# Altium PCB LLN-24VDimmer.PcbDoc
Units mm, origin at the board's own origin, x right, y up, seen from the top; angles counter-clockwise.
Board outline 87 x 52 mm, 3 copper layers (Top, Signal, Bottom), stack 1.885 mm thick; 66 components, 58 nets, 230 pads, 18 vias.
Unrouted connection lines stored in the file: 66.
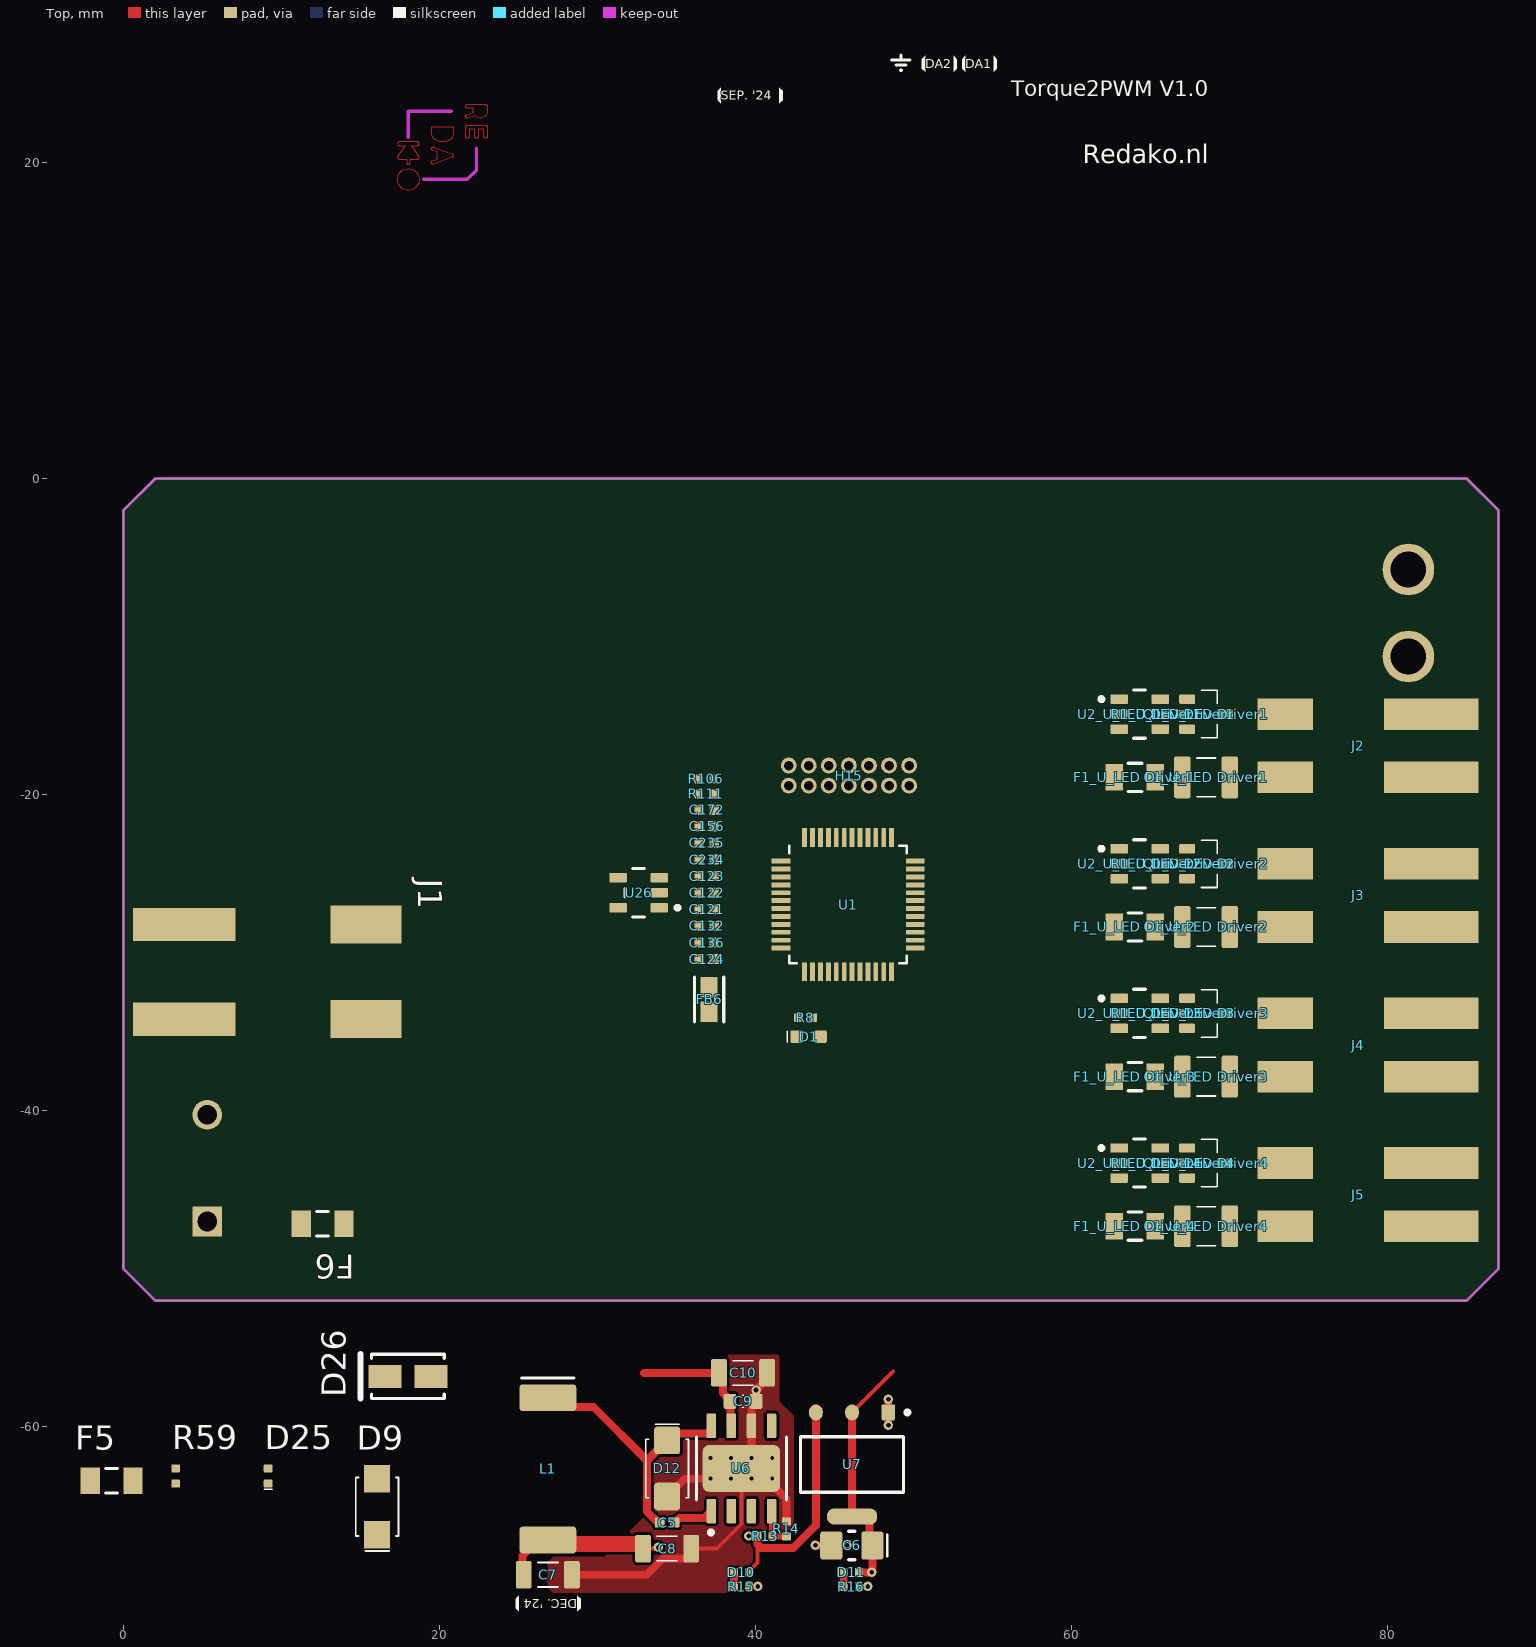
[diagram p0: Top view]
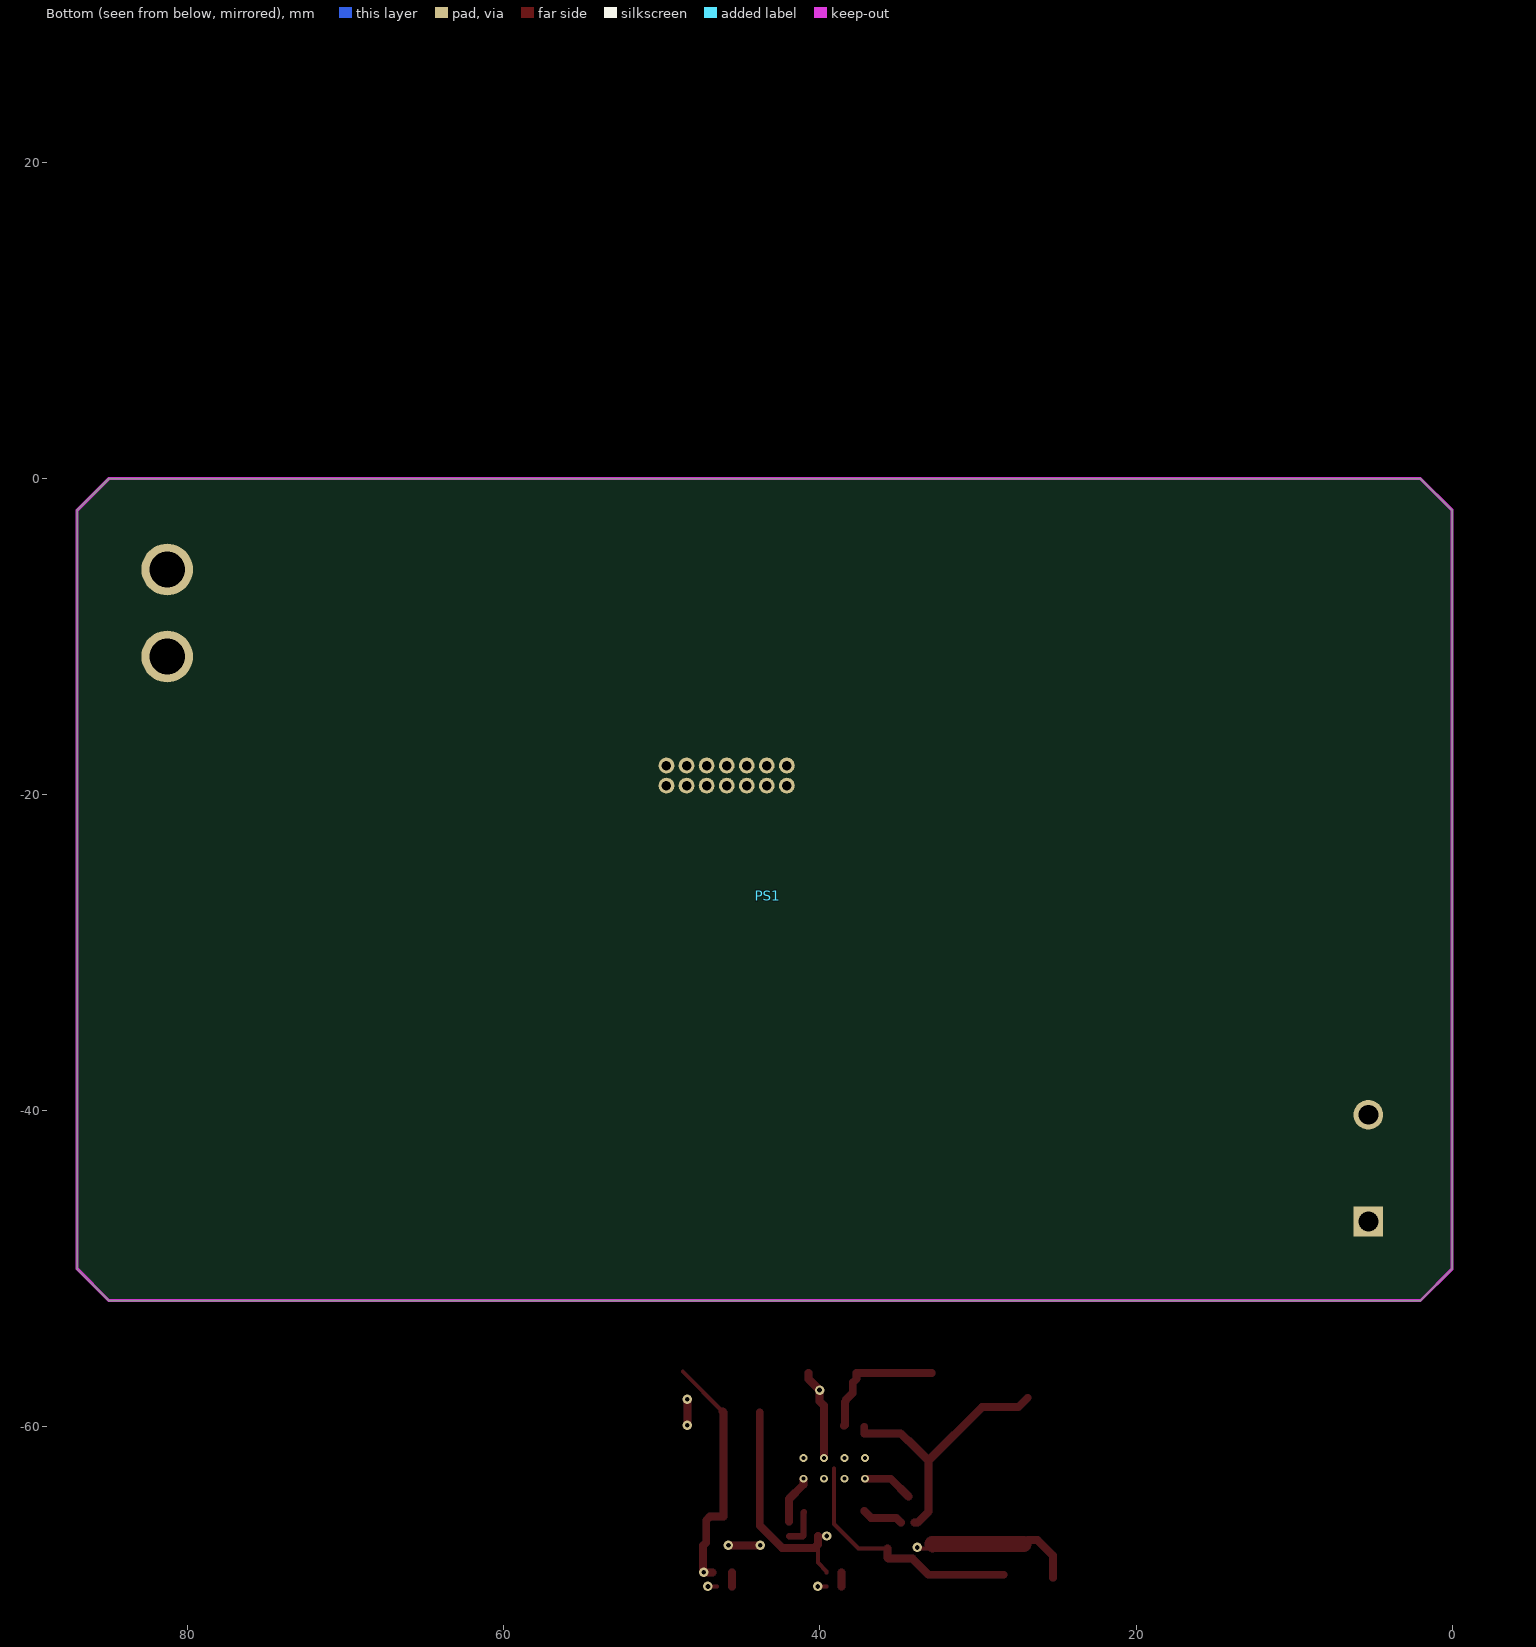
[diagram p1: Bottom view, seen from below]
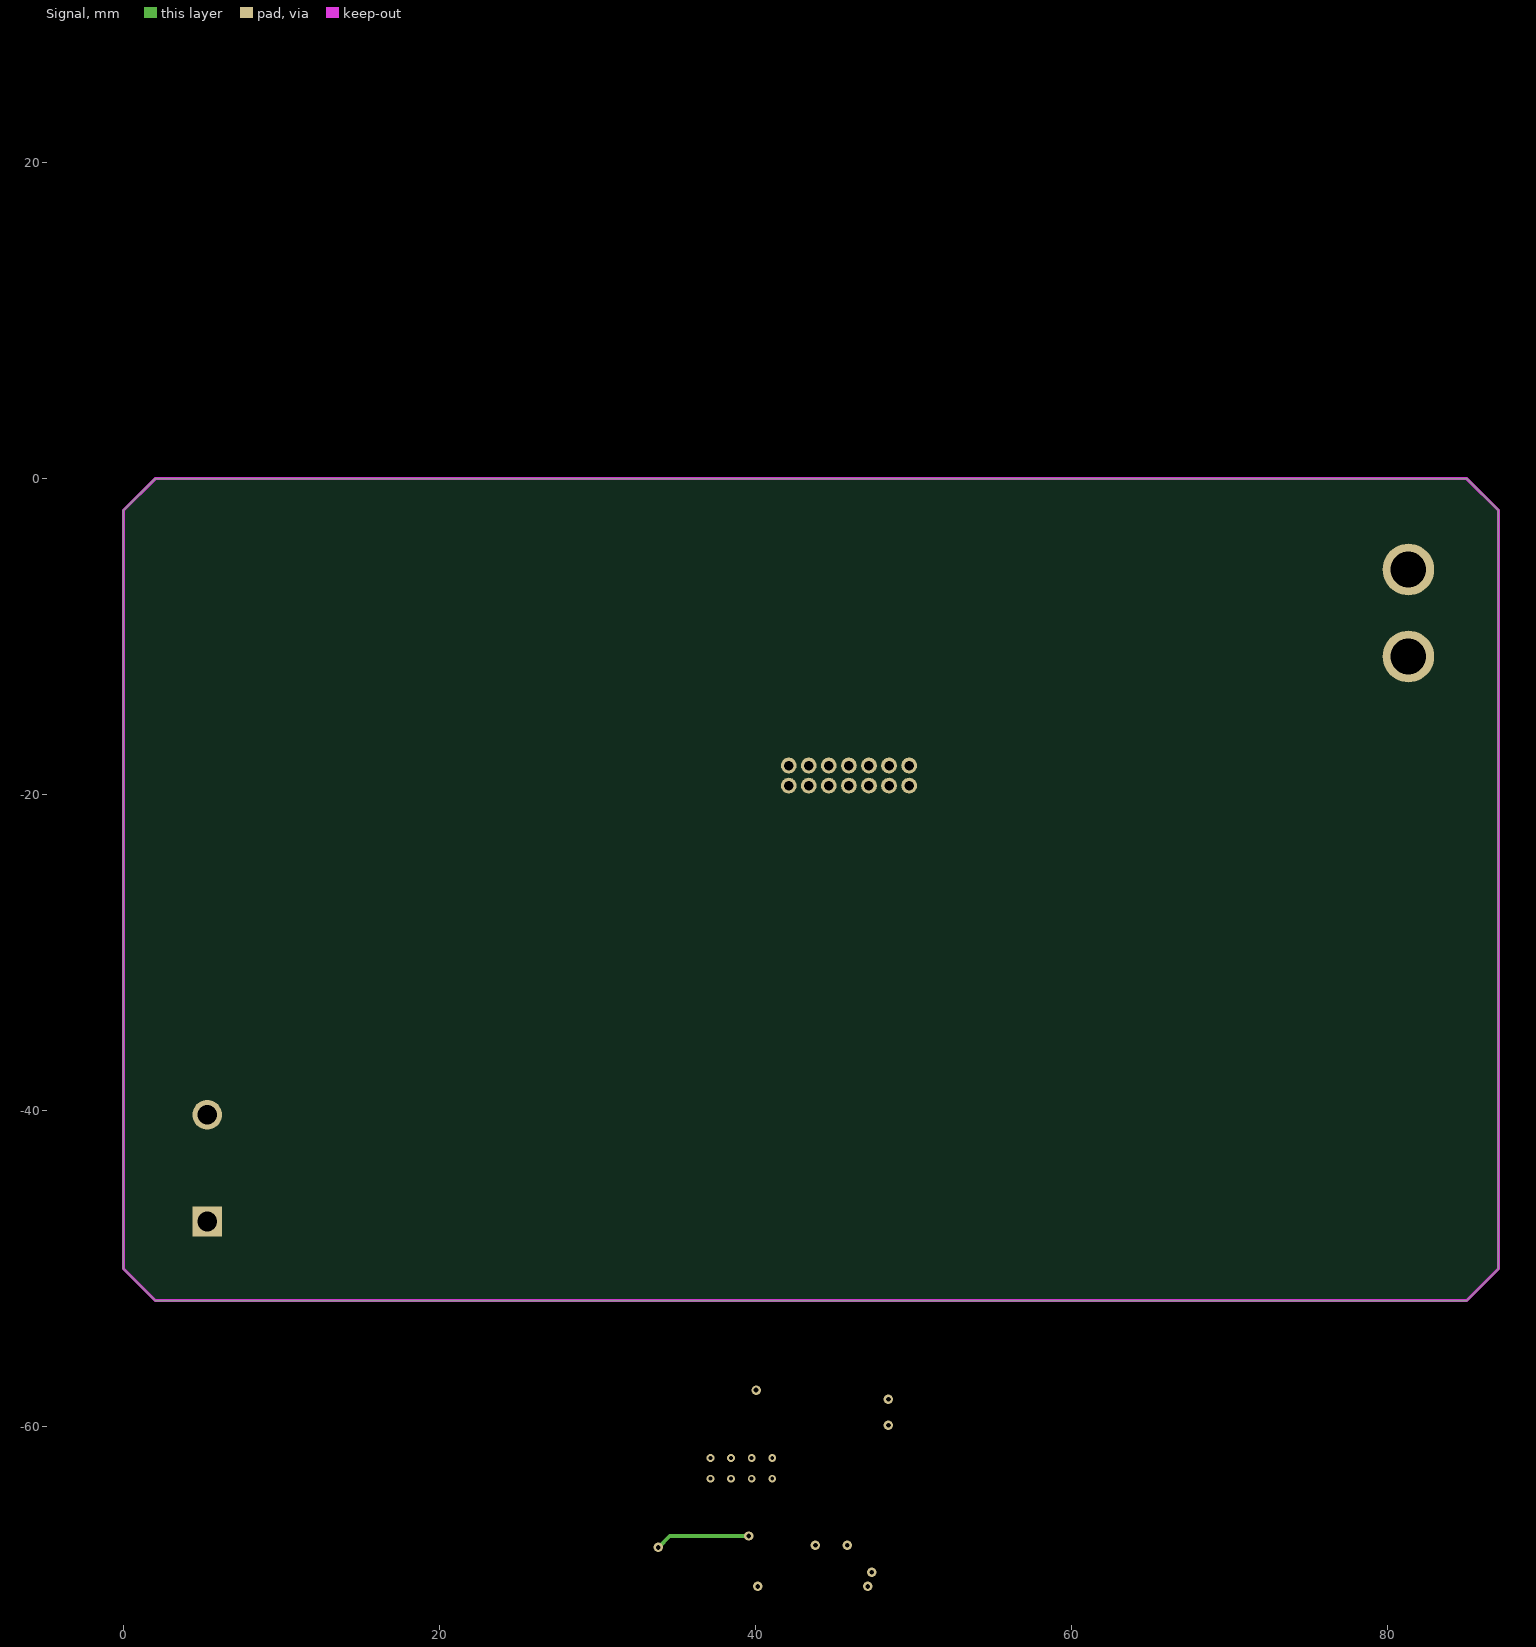
[diagram p2: Signal]

## Layer stack, top to bottom
Top Solder: solder mask 0.01, Solder Resist, Dk 3.5
Top: signal copper 0.035
Dielectric 1: core 1.46, FR-4, Dk 4.8
Signal: signal copper 0.035
Dielectric2: dielectric 0.32, FR-4, Dk 4.8
Bottom: signal copper 0.035
Bottom Solder: solder mask 0.01, Solder Resist, Dk 3.5

## Board outline
0,-50 2,-52 85,-52 87,-50 87,-2 85,0 2,0 0,-2

## Design rules (kind name [scope] priority, off if disabled: settings)
BoardOutlineClearance mdCopperDimension [All] p1: gap=0.25 ignorepadtopadclearanceinfootprint=FALSE
Clearance [All] p1: gap=0.125 ignorepadtopadclearanceinfootprint=FALSE
ComponentClearance [All] p1: gap=0 collisioncheckmode=3 verticalgap=0 showdistances=FALSE
DiffPairsRouting [All] p1: maxlimit=0.127 minlimit=0.125 mostfreqgap=0.127 toplayer_maxgap=0.125 toplayer_prefgap=0.125 toplayer_minwidth=0.399 toplayer_maxwidth=0.399 toplayer_prefwidth=0.399 bottomlayer_mingap=0.127 bottomlayer_minwidth=0.406 bottomlayer_maxwidth=0.406 bottomlayer_prefwidth=0.406 impedanceprofiledriven=TRUE impedanceprofileid={3314250E-EA92-4780-AD0B-8EA7877EF3D0} impedanceprofilevalue=90.000000 maxuncoupledlength=12.7
HoleSize [All] p1: absolutevalues=TRUE maxlimit=2540 minlimit=0.25 maxpercent=80.000 minpercent=20.000
HoleToHoleClearance mdDrill [All] p1: gap=0.203 allowstackedmicrovias=TRUE
MinimumSolderMaskSliver [All] p1 off: minsoldermaskwidth=0.254
PasteMaskExpansion Expansion_SMDPaste_OFF [InPadClass('SMDPaste_OFF')] p1: expansion=0
PasteMaskExpansion mlMinCreamFrame [All] p2: expansion=0
PlaneClearance [All] p1: clearance=0.25
PolygonConnect [All] p1: thpad.connectstyle=Relief thpad.reliefconductorwidth=0.254 thpad.reliefentries=4 thpad.polygonreliefangle="90 Angle" thpad.airgapwidth=0.254 smdpad.connectstyle=Direct smdpad.reliefconductorwidth=0.254 smdpad.reliefentries=4 smdpad.polygonreliefangle="90 Angle" smdpad.airgapwidth=0.254 via.connectstyle=Direct via.reliefconductorwidth=0.254 via.reliefentries=4 via.polygonreliefangle="90 Angle" via.airgapwidth=0.254
RoomDefinition U_STM32 [InComponentClass('U_STM32')] p1: confinementstyle=ConfineIn formatcopy=TRUE lockcomponents=FALSE outline -189.5,-237.35 -138.7,-237.35 -138.7,-211.95 -189.5,-211.95
RoutingVias [All] p1: holewidth=0.3 width=0.6 viastyle="Through Hole" minholewidth=0.25 minwidth=0.6 maxholewidth=2.54 maxwidth=2.54
SilkToSilkClearance [All] p1: silktosilkclearance=0
SilkToSolderMaskClearance [IsPad] p1: minsilkscreentomaskgap=0 clearancetoexposedcopper=TRUE
SolderMaskExpansion [isVia] p1: expansion=0.102 istentingtop=TRUE
SolderMaskExpansion mlMinStopFrame [All] p2: expansion=0 istentingtop=FALSE
Width "Width_For_NetClass_analog signal" [InNetClass('analog signal')] p1: maxlimit=0.762 minlimit=0.191 preferedwidth=0.508
Width "Width_For_NetClass_digital signal" [InNetClass('digital signal')] p2: maxlimit=0.762 minlimit=0.191 preferedwidth=0.508 minimp=50.000000 maximp=50.000000 favimp=50.000000
Width Width_For_NetClass_power [InNetClass('power')] p3: maxlimit=0.61 minlimit=0.254 preferedwidth=0.3 minimp=50.000000 maximp=50.000000 favimp=50.000000
Width [All] p4: maxlimit=254 minlimit=0.125 preferedwidth=0.2 midlayer14_minwidth=0.178 minimp=50.000000 maximp=50.000000 favimp=50.000000
21 further rules are at their usual default settings.

## Classes and differential pairs
channel class "LED Driver": "U_LED Driver1" "U_LED Driver2" "U_LED Driver3" "U_LED Driver4"
component class "U_LED Driver4": "C1_U_LED Driver4" "F1_U_LED Driver4" "Q1_U_LED Driver4" "R1_U_LED Driver4" "U2_U_LED Driver4"
component class "U_LED Driver3": "C1_U_LED Driver3" "F1_U_LED Driver3" "Q1_U_LED Driver3" "R1_U_LED Driver3" "U2_U_LED Driver3"
component class "U_LED Driver2": "C1_U_LED Driver2" "F1_U_LED Driver2" "Q1_U_LED Driver2" "R1_U_LED Driver2" "U2_U_LED Driver2"
component class "U_LED Driver1": "C1_U_LED Driver1" "F1_U_LED Driver1" "Q1_U_LED Driver1" "R1_U_LED Driver1" "U2_U_LED Driver1"
component class "U_Power Management": C5 C6 C7 C8 C9 C10 D9 D10 D11 D12 D25 D26 F5 F6 L1 PS1 R13 R14 R15 R16 R59 U6 U7
component class U_STM32: C121 C122 C123 C124 C132 C136 C156 C172 C234 C235 FB6 H15 R106 R111 U1 U26
component class LLN-24VDimmer: D1 J1 J2 J3 J4 J5 R8 U6 U7

## Components (designator, comment, footprint, x,y, rotation, side; value= is the part's Value field where it differs from the comment)
"C1_U_LED Driver1" "" CAPC3225X20N 68.5,-18.9 r0 top value=10uF (schematic designator C1)
"C1_U_LED Driver2" "" CAPC3225X20N 68.5,-28.367 r0 top value=10uF (schematic designator C1)
"C1_U_LED Driver3" "" CAPC3225X20N 68.5,-37.833 r0 top value=10uF (schematic designator C1)
"C1_U_LED Driver4" "" CAPC3225X20N 68.5,-47.3 r0 top value=10uF (schematic designator C1)
C5 "" CAPC1005X05N 34.4,-66.05 r180 top value=10nF
C6 "" CAPMP3217X18-T_V 46.086,-67.5 r180 top value="10uF 16V Tantalum"
C7 "" CAPC3216X16N 26.85,-69.35 r0 top value="47uF 10V"
C8 "" CAPC3216X16N 34.4,-67.7 r0 top value="47uF 10V"
C9 "" CAPC1608X08N 39.2,-58.375 r180 top value="1uF 50V"
C10 "" CAPC3216X16N 39.2,-56.575 r180 top value="10uF 50V"
C121 "" CAPC1005X05N 36.9,-27.25 r180 top value=100nF
C122 "" CAPC1005X05N 36.9,-26.2 r180 top value=2.2uF
C123 "" CAPC1005X05N 36.9,-25.15 r180 top value=2.2uF
C124 "" CAPC1005X05N 36.9,-30.4 r180 top value=2.2uF
C132 "" CAPC1005X05N 36.9,-28.3 r180 top value=2.2uF
C136 "" CAPC1005X05N 36.9,-29.35 r180 top value=2.2uF
C156 "" CAPC1005X05N 36.9,-22 r180 top value=2.2uF
C172 "" CAPC1005X05N 36.9,-20.95 r180 top value=2.2uF
C234 "" CAPC1005X05N 36.9,-24.1 r180 top value=2.2uF
C235 "" CAPC1005X05N 36.9,-23.05 r180 top value=2.2uF
D1 "" LEDC1608X08N 43.35,-35.3 r0 top value=White
D9 "" SODFL465X130-2N#1 16.049,-65.05 r90 top
D10 "" led0402 39.1,-69.2 r0 top value=White
D11 "" led0402 46.05,-69.2 r0 top value=White
D12 "" SODFL465X130-2N#2 34.4,-62.625 r270 top
D25 "" led0402 9.149,-63.1 r90 top value=Red
D26 "SMAJ22A" LFUS-DO-214AC-2_L 18,-56.8 r180 top
"F1_U_LED Driver1" "0685T3000-01" FP-0685T-IPC_C 63.988,-18.9 r0 top (schematic designator F1)
"F1_U_LED Driver2" "0685T3000-01" FP-0685T-IPC_C 63.988,-28.367 r0 top (schematic designator F1)
"F1_U_LED Driver3" "0685T3000-01" FP-0685T-IPC_C 63.988,-37.833 r0 top (schematic designator F1)
"F1_U_LED Driver4" "0685T3000-01" FP-0685T-IPC_C 63.988,-47.3 r0 top (schematic designator F1)
F5 "" FP-SF-1206S-IPC_B -0.751,-63.4 r0 top
F6 "" FP-SF-1206S-IPC_B 12.6,-47.15 r180 top
FB6 "BLM18PG471SN1D" FP-BLM18-0_15-t0_8-IPC_A 37.054,-32.954 r90 top
H15 "STLINK-V3MINIE_14P_TH" "Header 2x7 [14] 1.27mm Male TH" 45.9,-18.785 r0 top
J1 "" WAGO_2061-602/998-404 9,-31.2 r0 top
J2 "" WAGO_2060-452/998-404 78.75,-16.9 r180 top
J3 "" WAGO_2060-452/998-404 78.75,-26.367 r180 top
J4 "" WAGO_2060-452/998-404 78.75,-35.833 r180 top
J5 "" WAGO_2060-452/998-404 78.75,-45.3 r180 top
L1 "" "inductor 10x10mm" 26.85,-62.65 r270 top
PS1 "IRM-60-24" IRM-60-24 43.5,-26 r0 bottom locked value=24V
"Q1_U_LED Driver1" "AO3400A" SOT95P245X110-3N 68.5,-14.9 r0 top value="5.7A @ 10V" (schematic designator Q1)
"Q1_U_LED Driver2" "AO3400A" SOT95P245X110-3N 68.5,-24.367 r0 top value="5.7A @ 10V" (schematic designator Q1)
"Q1_U_LED Driver3" "AO3400A" SOT95P245X110-3N 68.5,-33.833 r0 top value="5.7A @ 10V" (schematic designator Q1)
"Q1_U_LED Driver4" "AO3400A" SOT95P245X110-3N 68.5,-43.3 r0 top value="5.7A @ 10V" (schematic designator Q1)
"R1_U_LED Driver1" "" RESC1005X04N 66.425,-14.9 r0 top value=0Ω (schematic designator R1)
"R1_U_LED Driver2" "" RESC1005X04N 66.425,-24.367 r0 top value=0Ω (schematic designator R1)
"R1_U_LED Driver3" "" RESC1005X04N 66.425,-33.833 r0 top value=0Ω (schematic designator R1)
"R1_U_LED Driver4" "" RESC1005X04N 66.425,-43.3 r0 top value=0Ω (schematic designator R1)
R8 "" RESC1005X04N 43.149,-34.1 r0 top value=1kΩ
R13 "" RESC1005X04N 40.6,-66.9 r0 top value=10kΩ
R14 "" RESC1005X04N 41.95,-66.45 r90 top value=3.3kΩ
R15 "" RESC1005X04N 39.1,-70.1 r0 top value=4.7kΩ
R16 "" RESC1005X04N 46.05,-70.1 r0 top value=2.2kΩ
R59 "" RESC1005X04N 3.299,-63.1 r90 top value=10kΩ
R106 "" RESC1005X04N 36.85,-19 r180 top value=1kΩ
R111 "" RESC1005X04N 36.85,-19.95 r180 top value=10kΩ
U1 "STM32G474CBT6TR" LQFP48-7x7mm 45.85,-26.95 r0 top
"U2_U_LED Driver1" "UCC27517DBVR" FP-DBV0005A-MFG 64.3,-14.9 r0 top (schematic designator U2)
"U2_U_LED Driver2" "UCC27517DBVR" FP-DBV0005A-MFG 64.3,-24.367 r0 top (schematic designator U2)
"U2_U_LED Driver3" "UCC27517DBVR" FP-DBV0005A-MFG 64.3,-33.833 r0 top (schematic designator U2)
"U2_U_LED Driver4" "UCC27517DBVR" FP-DBV0005A-MFG 64.3,-43.3 r0 top (schematic designator U2)
U6 "" FP-DDA0008J-MFG 39.1,-62.625 r90 top
U7 "" FP-AMS1117-IPC_C 46.1,-62.375 r270 top
U26 "TPS7A2033PDBVR" FP-DBV0005A-MFG 32.6,-26.2 r180 top
